# Allegro board 1156197-TDI_VU3P_QSFP28_CXP_V001_1023A-166-20241121_1644_PCB.brd (continued)
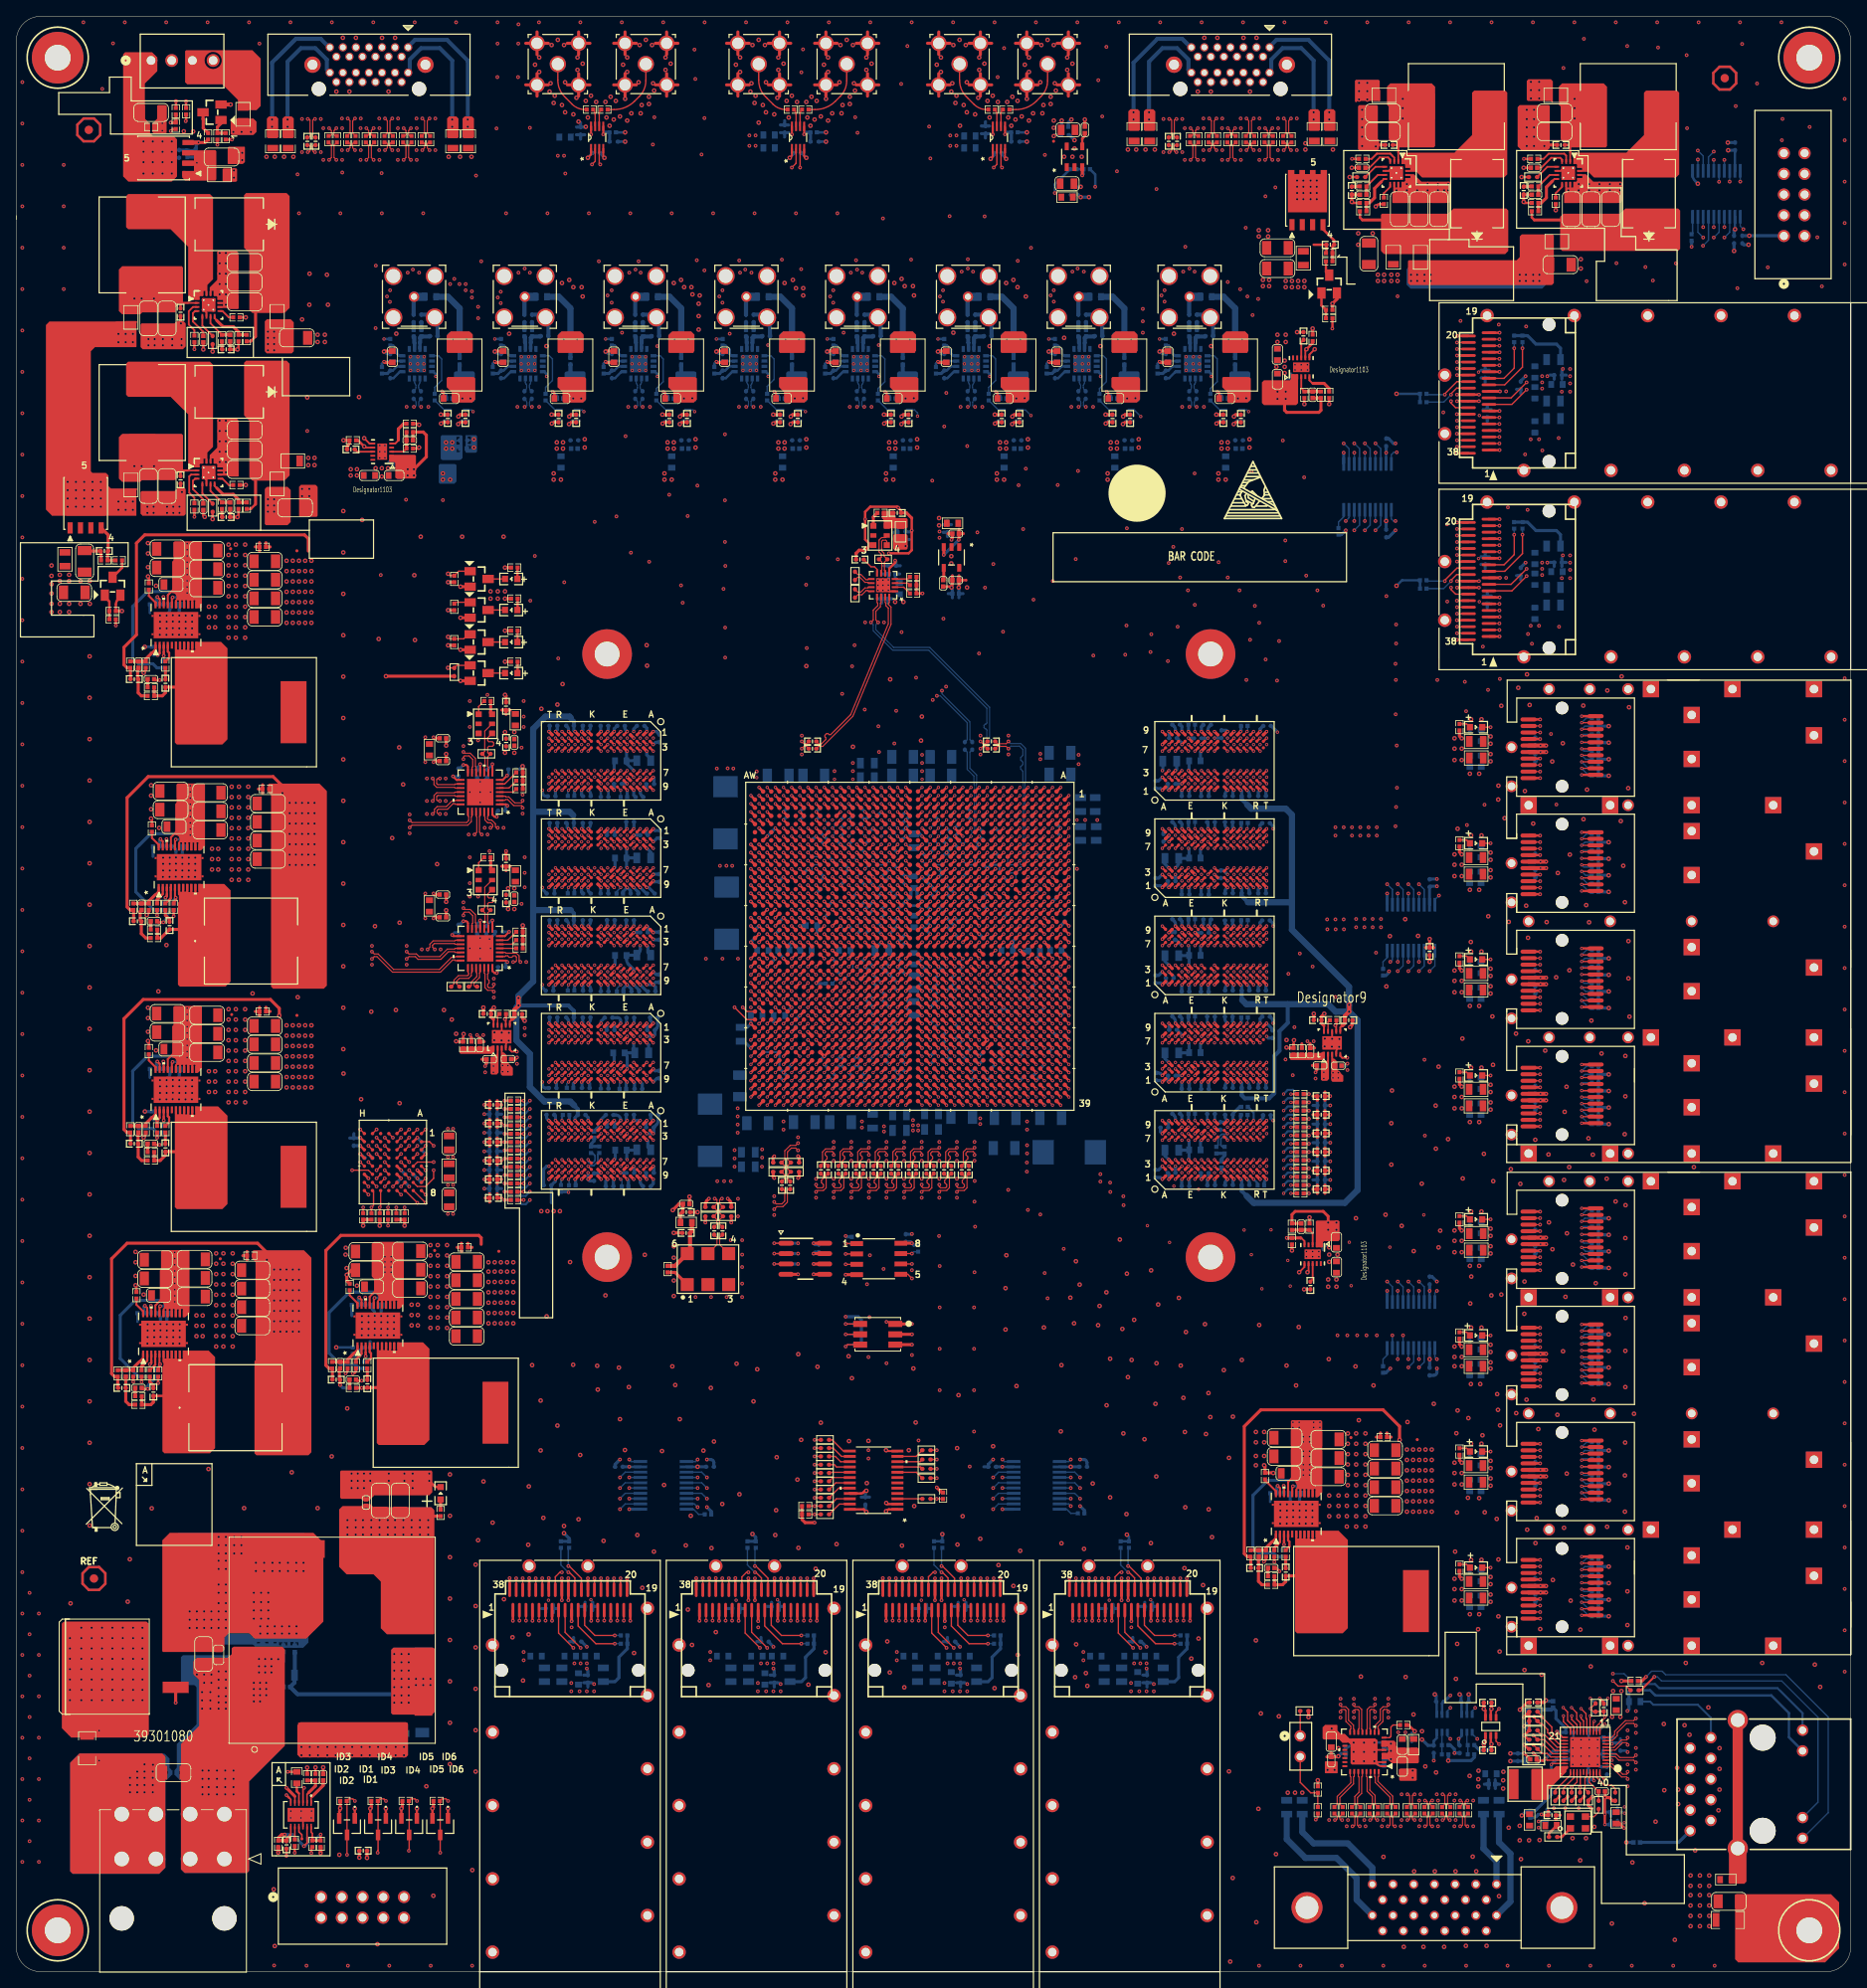
[diagram p0: board, top side]
## Routing (per net, layer and track width the routed paths; a pad name or vN(x,y) marks a point on that pad's centre or on a via; arc(x,y) is an arc through that point) (continued)
CHA_BPI_FLASH_OE_B: length 137.4
  TOP w0.152: U1.AV29 v1(91.1,116.36)
  TOP w0.17: U3.F8 44.69,93.92 v1(44.58,93.8) R25.2
  ART05 w0.122: v1(91.1,116.36) 90.83,116.36 90.3,115.82 89.66,115.82 88.52,114.68 88.52,108.48 88.06,108.03 88.06,107.86 88.47,107.44 88.47,107.27 88.3,107.1 88.13,107.1 87.72,107.51 87.55,107.51 86.31,106.27 80.24,106.27 80.01,106.04 80.01,97.31 77.09,94.39 76.34,94.39 76.22,94.51 76.22,95.26 76.1,95.38 75.85,95.38 75.73,95.26 75.73,94.51 75.61,94.39 75.37,94.39 75.24,94.51 75.24,95.26 75.12,95.38 74.88,95.38 74.76,95.26 74.76,94.51 74.64,94.39 74.39,94.39 74.27,94.51 74.27,95.26 74.15,95.38 73.9,95.38 73.78,95.26 73.78,94.51 73.66,94.39 73.42,94.39 73.29,94.51 73.29,95.26 73.17,95.38 72.93,95.38 72.81,95.26 72.81,94.51 72.68,94.39 72.44,94.39 72.32,94.51 72.32,95.26 72.2,95.38 71.95,95.38 71.83,95.26 71.83,94.51 71.71,94.39 71.47,94.39 71.34,94.51 71.34,95.26 71.22,95.38 70.98,95.38 70.86,95.26 70.86,94.51 70.73,94.39 70.49,94.39 70.37,94.51 70.37,95.26 70.25,95.38 70,95.38 69.88,95.26 69.88,94.51 69.76,94.39 69.51,94.39 69.39,94.51 69.39,95.26 69.27,95.38 69.03,95.38 68.9,95.26 68.9,94.25 67.36,92.71 58.67,92.71 57.91,93.47 57.91,100.97 57.66,101.22 57.02,101.22 56.38,101.86 55.37,101.86 55.24,101.98 55.24,102.23 55.37,102.35 56.77,102.35 56.9,102.47 56.9,102.72 56.77,102.84 55.37,102.84 55.24,102.96 55.24,103.2 55.37,103.33 56.77,103.33 56.9,103.45 56.9,103.69 56.77,103.81 55.37,103.81 55.24,103.94 55.24,104.18 55.37,104.3 56.77,104.3 56.9,104.42 56.9,104.67 56.77,104.79 55.37,104.79 55.24,104.91 55.24,105.15 55.37,105.28 56.77,105.28 56.9,105.4 56.9,105.64 56.77,105.76 55.37,105.76 55.24,105.89 55.24,106.13 55.37,106.25 56.77,106.25 56.9,106.37 56.9,106.62 56.77,106.74 55.37,106.74 55.24,106.86 55.24,107.1 55.37,107.23 56.77,107.23 56.9,107.35 56.9,107.59 56.77,107.71 55.37,107.71 55.24,107.84 55.24,108.08 55.37,108.2 56.77,108.2 56.9,108.32 56.9,108.59 56.77,108.71 43.99,108.71 43.74,108.46 43.74,104.88 43.18,104.32 43.18,102.49 43.69,101.98 43.69,99.82 44.69,98.82 44.69,95.02 44.57,94.89 44.11,94.89 43.99,94.77 43.99,94.53 44.11,94.41 44.57,94.41 44.69,94.28 44.69,93.92 v1(44.58,93.8)
CHA_BPI_FLASH_RST_B: length 156.2
  TOP w0.17: U3.D4 v1(47.19,100.37)
  ART12 w0.122: v1(47.19,100.37) 46.95,100.61 arc(46.75,100.91) 46.69,101.25 46.69,102.46 arc(46.66,102.56) 46.61,102.65 46.48,102.77 arc(46.37,102.85) 46.25,102.87 44.22,102.87 arc(43.96,102.92) 43.74,103.07 43.15,103.66 arc(42.93,103.81) 42.67,103.86 42.27,103.86 arc(42.01,103.81) 41.78,103.66 38.07,99.95 38.07,88.05 arc(38.45,86.18) 39.51,84.6 41.6,82.51 arc(42.96,81.6) 44.56,81.28 45.77,81.28 arc(46.33,81.17) 46.81,80.85 46.98,80.68 48.1,78.88 49.63,77.34 52.2,77.34 52.83,76.71 55.63,76.71 56.08,76.25 63.65,76.25 64.72,75.18 93.9,75.18 103.38,84.66 103.38,88.95 arc(103.53,89.73) 103.97,90.38 107.61,94.02 arc(108.05,94.68) 108.2,95.45 108.2,104.4 arc(108.22,104.65) 108.27,104.89 108.53,105.84 arc(108.57,106.06) 108.58,106.29 108.58,124.22 arc(108.7,124.82) 109.04,125.32 109.44,125.72 arc(109.84,126.32) 109.98,127.03 109.98,133.76 arc(110.25,135.13) 111.03,136.28 v1(111.1,136.36)
  BOTTOM w0.17: v1(111.1,136.36) 111.1,136.34 R4.1
CHA_BPI_FLASH_WAIT: length 104
  TOP w0.152: U1.AU29 v1(92.1,116.36)
  TOP w0.17: R29.2 v1(45.59,91.57)
  ART05 w0.122: v1(92.1,116.36) 91.62,116.84 89.92,116.84 88.14,115.06 88.14,108.84 86,106.71 80.11,106.71 79.63,106.22 79.63,97.53 77.91,95.81 68.66,95.81 68.02,95.17 65.33,95.17 63.5,93.34 59.05,93.34 58.45,93.95 58.45,107.92 57.02,109.35 43.69,109.35 43.31,108.97 43.31,105.16 42.69,104.54 42.69,98.91 43.69,97.92 43.69,95.12 43.05,94.49 43.05,92.84 43.43,92.46 44.7,92.46 v1(45.59,91.57)
CHA_BPI_FLASH_WE_B: length 141.8
  TOP w0.152: U1.AV30 v1(91.1,115.36)
  TOP w0.17: U3.G8 43.81,95.75 43.81,94.06 v1(43.56,93.8) R28.2
  ART05 w0.122: v1(43.56,93.8) 43.56,93.09 43.68,92.96 44.81,92.96 45.09,93.24 45.09,94.52 45.21,94.64 45.95,94.64 46.08,94.76 46.08,95.01 45.95,95.13 45.21,95.13 45.09,95.25 45.09,95.55 45.69,96.16 45.69,97.02 45.81,97.14 46.13,97.14 46.25,97.26 46.25,97.51 46.13,97.63 45.81,97.63 45.69,97.75 45.69,97.99 45.81,98.12 46.13,98.12 46.25,98.24 46.25,98.48 46.13,98.6 45.81,98.6 45.69,98.73 45.69,98.97 45.81,99.09 46.13,99.09 46.25,99.21 46.25,99.46 46.13,99.58 45.81,99.58 45.69,99.7 45.69,99.94 45.81,100.07 46.13,100.07 46.25,100.19 46.25,100.43 46.13,100.55 45.81,100.55 45.69,100.68 45.69,100.92 45.81,101.04 46.13,101.04 46.25,101.16 46.25,101.7 46.1,101.85 44.86,101.85 44.69,102.02 44.69,102.8 44.81,102.92 45.98,102.92 46.1,103.04 46.1,103.29 45.98,103.41 44.81,103.41 44.69,103.53 44.69,103.77 44.81,103.9 45.98,103.9 46.1,104.02 46.1,104.26 45.98,104.38 44.81,104.38 44.69,104.51 44.69,105.17 44.96,105.44 44.96,107.28 45.09,107.4 45.33,107.4 45.45,107.28 45.45,105.44 45.57,105.32 45.82,105.32 45.94,105.44 45.94,107.28 46.06,107.4 46.31,107.4 46.43,107.28 46.43,105.44 46.56,105.31 47.67,105.31 47.79,105.43 47.79,107.29 47.91,107.42 48.15,107.42 48.27,107.29 48.27,105.43 48.4,105.31 48.64,105.31 48.76,105.43 48.76,107.29 48.88,107.42 49.13,107.42 49.25,107.29 49.25,105.43 49.37,105.31 49.62,105.31 49.74,105.43 49.74,107.29 49.86,107.42 50.1,107.42 50.23,107.29 50.23,105.43 50.35,105.31 50.59,105.31 50.71,105.43 50.71,107.29 50.84,107.42 51.08,107.42 51.2,107.29 51.2,105.43 51.32,105.31 51.57,105.31 51.69,105.43 51.69,107.29 51.81,107.42 52.05,107.42 52.18,107.29 52.18,105.43 52.3,105.31 52.54,105.31 52.66,105.43 52.66,107.29 52.79,107.42 53.03,107.42 53.15,107.29 53.15,105.43 53.27,105.31 54.2,105.31 54.46,105.05 54.46,104.68 54.34,104.56 53.59,104.56 53.47,104.44 53.47,104.19 53.59,104.07 54.26,104.07 54.41,103.92 54.41,92.66 55.12,91.95 67.82,91.95 69.34,93.47 77.37,93.47 80.77,96.88 80.77,104.06 81.19,104.48 88.93,104.48 89.28,104.83 89.28,114.17 89.92,114.81 90.55,114.81 v1(91.1,115.36)
CHA_CXP1_TXLF: length 2.1
  BOTTOM w0.17: U24.3 52.51,191.67 R280.2
CHA_CXP1_TXLF_1V8: length 245.2
  TOP w0.152: U1.D23 v1(126.1,122.36)
  ART12 w0.122: v1(126.1,122.36) 126.55,122.81 131.57,122.81 136.53,117.86 136.53,99.53 141.57,94.49 156.77,94.49 158.32,96.03 159.69,96.03 160.3,96.65 161.93,96.65 164.24,98.96 164.24,119.02 156.72,126.54 156.72,165.2 143.48,178.44 118.11,178.44 116.08,180.47 99.19,180.47 94.87,184.78 75.44,184.78 74.55,185.67 61.83,185.67 v3(56.03,191.48)
  BOTTOM w0.17: U24.4 55.83,191.67 v3(56.03,191.48)
CHA_CXP2_1V25: length 10.9
  TOP w0.305: R418.1 v2(161.04,192.41)
  TOP w0.381: C757.2 R419.1 160.02,191.64 159.77,191.39 155.83,191.39 155.56,191.66 155.56,192.9 v2(155.7,193.04)
  BOTTOM w0.381: 156.34,194.29 R420.2 ; R420.2 156.85,194.8 ; R420.2 155.83,194.8
  vias: v2(106.68,183.9) v2(106.68,183.13) v2(107.57,183.13) v2(120.27,183.9) v2(120.27,183.13) v2(121.16,183.13) v2(133.86,183.9) v2(133.86,183.13) v2(134.75,183.13) v2(147.45,183.9) v2(147.45,183.13) v2(148.34,183.13) v2(154.69,193.93) v2(154.69,193.04) v2(155.7,193.93)
CHA_CXP2_1V25_EN: length 168.9
  TOP w0.152: U1.C27 v1(127.1,118.36)
  TOP w0.229: U51.7 158.11,199 v2(158.24,199.14)
  TOP w0.305: R422.2 159,199.9 v2(158.24,199.14)
  ART05 w0.254: v1(161.8,139.45) 160.02,137.67 160.02,125.79 165.48,120.33 165.48,96.7 162.12,93.34 139.7,93.34 131.42,101.63 131.42,116.59 130.12,117.88 127.58,117.88 v1(127.1,118.36)
  ART12 w0.254: v1(161.8,139.45) 161.04,140.21 161.04,170.94 159.38,172.59 159.38,197.99 v2(158.24,199.14)
CHA_CXP2_24V_PWREN: length 169.2
  TOP w0.152: U1.B25 v1(128.1,120.36)
  TOP w0.305: R598.2 161.44,201.7 v1(161.42,201.68)
  ART05 w0.254: v1(161.8,140.46) 159.13,137.79 159.13,125.6 164.72,120.02 164.72,97.02 161.81,94.11 140.02,94.11 132.08,102.05 132.08,116.92 130.14,118.86 128.89,118.86 128.6,119.15 128.6,119.86 v1(128.1,120.36)
  ART12 w0.254: v1(161.8,140.46) 161.8,171.7 160.05,173.46 160.05,194.59 161.42,195.96 v1(161.42,201.68)
CHA_CXP2_TXLF: length 2.1
  BOTTOM w0.17: R279.2 66.1,191.67 U25.3
CHA_CXP2_TXLF_1V8: length 232.2
  TOP w0.152: U1.C23 v1(127.1,122.36)
  ART12 w0.122: v3(69.62,191.48) 75.8,185.29 96.14,185.29 100.33,181.1 116.59,181.1 118.49,179.2 143.44,179.2 157.23,165.41 157.23,126.67 164.74,119.15 164.74,98.71 161,94.97 157.76,94.97 156.9,94.11 141.41,94.11 136.14,99.37 136.14,117.6 131.32,122.43 129.16,122.43 128.65,121.92 127.54,121.92 v1(127.1,122.36)
  BOTTOM w0.17: U25.4 69.42,191.67 v3(69.62,191.48)
CHA_CXP3_TXLF: length 2.1
  BOTTOM w0.17: R290.2 79.69,191.67 U28.3
CHA_CXP3_TXLF_1V8: length 220.1
  TOP w0.152: U1.C24 v1(127.1,121.36)
  ART12 w0.122: v3(83.2,191.48) 88.76,185.93 97.28,185.93 101.35,181.86 117.35,181.86 119.38,179.83 143.52,179.83 157.73,165.62 157.73,126.8 165.25,119.28 165.25,98.68 161.19,94.61 158.04,94.61 157.15,93.73 141.25,93.73 135.76,99.21 135.76,117.35 131.22,121.89 129.03,121.89 128.65,121.51 128.65,121.28 128.27,120.9 127.64,120.9 127.18,121.36 v1(127.1,121.36)
  BOTTOM w0.17: U28.4 83.01,191.67 v3(83.2,191.48)
CHA_CXP4_TXLF: length 2.1
  BOTTOM w0.17: U29.3 93.28,191.67 R289.2
CHA_CXP4_TXLF_1V8: length 205.1
  TOP w0.152: U1.A24 v1(129.1,121.36)
  ART12 w0.122: v3(96.79,191.48) 103.49,184.78 115.57,184.78 119.63,180.72 143.38,180.72 158.24,165.86 158.24,126.92 165.76,119.41 165.76,98.65 161.32,94.21 158.27,94.21 157.4,93.34 141.09,93.34 135.38,99.06 135.38,117.12 131.15,121.36 v1(129.1,121.36)
  BOTTOM w0.17: v3(96.79,191.48) 96.6,191.67 U29.4
CHA_CXP5_TXLF: length 2.1
  BOTTOM w0.17: U32.3 106.87,191.67 R300.2
CHA_CXP5_TXLF_1V8: length 195.9
  TOP w0.152: U1.C26 v1(127.1,119.36)
  ART12 w0.122: v1(127.1,119.36) 127.1,119.36 127.64,119.89 128.27,119.89 128.52,120.14 128.52,120.65 128.78,120.9 130.93,120.9 135,116.84 135,98.9 140.94,92.96 157.58,92.96 158.45,93.83 161.48,93.83 166.27,98.62 166.27,119.57 158.75,127.08 158.75,166.12 143.38,181.48 120.38,181.48 110.93,190.93 v3(110.54,190.93)
  BOTTOM w0.17: U32.4 110.19,191.67 110.54,191.32 v3(110.54,190.93)
CHA_CXP6_TXLF: length 2.1
  BOTTOM w0.17: R299.2 120.46,191.67 U33.3
CHA_CXP6_TXLF_1V8: length 180.4
  TOP w0.152: U1.A25 v1(129.1,120.36)
  ART12 w0.122: v3(124.45,191) 132.95,182.5 143.13,182.5 159.26,166.37 159.26,127.24 166.78,119.72 166.78,98.59 161.66,93.47 158.62,93.47 157.73,92.58 140.78,92.58 134.62,98.74 134.62,116.68 130.94,120.36 v1(129.1,120.36)
  BOTTOM w0.17: v3(124.45,191) 123.78,191.67 U33.4
CHA_CXP7_TXLF: length 2.1
  BOTTOM w0.17: R310.2 134.04,191.67 U37.3
CHA_CXP7_TXLF_1V8: length 170.9
  TOP w0.152: U1.B26 v1(128.1,119.36)
  ART12 w0.122: v3(137.92,190.88) 139.06,189.74 139.06,187.32 159.77,166.62 159.77,127.43 167.28,119.91 167.28,98.53 161.82,93.07 159.89,93.07 158.8,91.97 157.43,91.97 157.2,92.2 140.59,92.2 134.24,98.55 134.24,116.33 130.68,119.89 128.91,119.89 128.37,119.36 v1(128.1,119.36)
  BOTTOM w0.17: U37.4 137.13,191.67 v3(137.92,190.88)
CHA_CXP8_TXLF: length 2.1
  BOTTOM w0.17: U36.3 147.63,191.67 R309.2
CHA_CXP8_TXLF_1V8: length 166.4
  TOP w0.152: U1.B27 v1(128.1,118.36)
  ART12 w0.122: v3(151.15,191.48) 150.5,190.83 150.5,176.66 160.27,166.88 160.27,127.56 167.79,120.04 167.79,98.53 161.9,92.63 160.12,92.63 159.08,91.59 157.07,91.59 156.84,91.82 140.46,91.82 133.86,98.42 133.86,116.08 131.06,118.87 128.62,118.87 v1(128.1,118.36)
  BOTTOM w0.17: v3(151.15,191.48) 150.96,191.67 U36.4
CHA_CXP_1V25: length 9.9
  TOP w0.305: R409.1 49.28,189.99 v2(49.4,189.87)
  TOP w0.381: C745.2 R411.1 49.91,188.98 50.29,188.59 50.29,185.93 v2(48.77,184.4)
  BOTTOM w0.381: R412.2 47.52,185.29 ; R412.2 47.01,184.78 ; R412.2 47.01,185.8
  vias: v2(48.01,184.4) v2(48.01,183.64) v2(48.77,183.64) v2(52.32,183.9) v2(52.32,183.13) v2(53.21,183.13) v2(65.91,183.9) v2(65.91,183.13) v2(66.8,183.13) v2(79.5,183.9) v2(79.5,183.13) v2(80.39,183.13) v2(93.09,183.9) v2(93.09,183.13) v2(93.98,183.13)
CHA_CXP_1V25_EN: length 261.8
  TOP w0.152: U1.B24 v1(128.1,121.36)
  TOP w0.229: U49.7 42.81,187.06 v2(42.67,187.2)
  TOP w0.305: v2(42.67,187.2) 41.91,187.96 R417.2
  ART05 w0.254: v1(161.8,119.63) 162.56,118.87 162.56,115.44 163.96,114.05 163.96,97.33 161.49,94.87 140.34,94.87 132.77,102.44 132.77,117.37 129.26,120.88 128.58,120.88 v1(128.1,121.36)
  ART12 w0.254: v1(161.8,119.63) 156.24,125.2 156.24,164.54 148.95,171.83 62.2,171.83 59.8,174.23 44.34,174.23 41.55,177.01 41.55,180.49 40.13,181.91 40.13,184.66 v2(42.67,187.2)
CHA_CXP_24V_1: length 6.5
  BOTTOM w0.305: C532.2 v2(68.3,193.09) ; C534.2 v2(54.72,193.09)
  BOTTOM w0.508: R272.2 54.38,196.2 ; R271.2 67.96,196.2 ; v2(68.3,193.09) v2(69.29,193.09) ; v2(54.72,193.09) v2(55.7,193.09)
  vias: v2(30.86,180.72) v2(30.86,179.96) v2(30.86,179.2) v2(31.62,180.72) v2(31.62,179.96) v2(31.62,179.2)
CHA_CXP_24V_2: length 6.5
  BOTTOM w0.305: C556.2 v2(95.48,193.09) ; C558.2 v2(81.89,193.09)
  BOTTOM w0.508: R281.2 95.14,196.2 ; v2(81.89,193.09) 82.88,193.09 ; v2(95.48,193.09) 96.47,193.09 ; R282.2 81.55,196.2
  vias: v2(30.86,201.29) v2(30.86,200.53) v2(30.86,199.77) v2(30.86,199.01) v2(31.62,201.29) v2(31.62,200.53) v2(31.62,199.77) v2(31.62,199.01) v2(35.81,185.8) v2(35.81,184.91) v2(36.58,185.8) v2(36.58,184.91) v2(82.91,193.12) v2(96.5,193.12)
CHA_CXP_24V_3: length 6.5
  BOTTOM w0.305: C582.2 v2(109.07,193.09) ; C580.2 v2(122.66,193.09)
  BOTTOM w0.508: v2(122.66,193.09) 123.65,193.09 ; v2(109.07,193.09) 110.06,193.09 ; R291.2 122.32,196.2 ; R292.2 108.73,196.2
  vias: v2(110.09,193.12) v2(123.68,193.12) v2(167,208.28) v2(167,207.52) v2(167.77,208.28) v2(167.77,207.52) v2(168.66,208.28) v2(168.66,207.52) v2(169.42,208.28) v2(169.42,207.52)
CHA_CXP_24V_4: length 6.5
  BOTTOM w0.305: C606.2 v2(136.25,193.09) ; C604.2 v2(149.84,193.09)
  BOTTOM w0.508: v2(136.25,193.09) 137.24,193.09 ; v2(149.84,193.09) 150.82,193.09 ; R302.2 135.91,196.2 ; R301.2 149.5,196.2
  vias: v2(137.27,193.12) v2(150.85,193.12) v2(171.07,208.28) v2(171.07,207.52) v2(171.83,208.28) v2(171.83,207.52) v2(172.72,208.28) v2(172.72,207.52) v2(173.48,208.28) v2(173.48,207.52) v2(184.4,208.28) v2(184.4,207.52) v2(185.17,208.28) v2(185.17,207.52) v2(186.06,208.28) v2(186.06,207.52) v2(186.82,208.28) v2(186.82,207.52)
CHA_CXP_24V_PWREN: length 290.4
  TOP w0.152: v1(129.1,123.36) 129.1,123.36 U1.A23
  TOP w0.305: R594.2 v1(12.21,165.23)
  ART12 w0.254: v1(12.21,165.23) 12.21,151.24 16.51,146.94 36.58,146.94 41.96,152.32 43.48,152.32 58.04,166.88 152.73,166.88 155.7,163.91 155.7,124.49 157.68,122.5 157.68,96.06 156.59,94.97 142.16,94.97 137.29,99.85 137.29,118.11 132.16,123.24 129.22,123.24 v1(129.1,123.36)
CHA_DDR4_2V5: length 48.3
  TOP w0.229: 58.54,116.87 U12.10 ; v1(161.77,116.15) 161.89,116.03 U18.7 ; 160.39,116.1 U18.10 ; v1(59.92,116.92) 60.04,116.8 U12.7
  TOP w0.305: v1(161.77,116.15) 161.92,116.3 R154.1 ; R112.1 60.07,117.06 v1(59.92,116.92)
  TOP w0.356: v2(160.91,91.95) 160.91,92.71 160.3,93.32 156.86,93.32 156.46,92.93 R413.1
  TOP w0.381: U13.R9 v3(152.56,128.34) ; U16.B1 v3(141.36,145.01) ; U8.B1 v3(77.33,140.28) ; U14.R9 v3(152.56,140.28) ; U8.R9 v3(66.13,133.08) ; U10.B1 v3(77.33,152.22) ; R413.1 C750.2 ; 58.54,116.87 58.23,117.17 C313.2 58.23,118 v2(58.57,118.34) ; U17.R9 v3(152.56,104.46) ; v2(160.43,117.58) 160.08,117.23 C407.2 160.08,116.41 160.39,116.1 ; U16.R9 v3(152.56,152.22) ; U13.B1 v3(141.36,121.14) ; U9.R9 v3(66.13,97.26) ; R410.1 v2(156.46,88.52) ; U10.R9 v3(66.13,145.01) ; U15.B1 v3(141.36,109.2) ; U17.B1 v3(141.36,97.26) ; U7.B1 v3(77.33,128.34) ; U11.R9 v3(66.13,109.2) ; U7.R9 v3(66.13,121.14) ; U11.B1 v3(77.33,116.4) ; U14.B1 v3(141.36,133.08) ; U15.R9 v3(152.56,116.4) ; U9.B1 v3(77.33,104.46)
  BOTTOM w0.381: C373.1 141.26,109.3 v3(141.36,109.2) ; v3(77.33,104.46) 77.25,104.39 C279.1 ; R414.1 160.27,90.44 ; R414.1 160.78,89.94 ; R414.1 159.77,89.94 ; v3(141.36,133.08) 141.24,133.21 C358.1 ; C280.1 66.13,145.01 v3(66.13,145.01) ; v3(66.13,121.14) 65.87,120.88 C236.1 ; v3(66.13,133.08) 66,132.95 C263.1 ; v3(77.33,140.28) 77.28,140.23 77.28,139.67 C264.1 ; v3(141.36,97.26) 141.41,97.31 141.41,97.87 C420.1 ; C281.1 77.33,152.63 v3(77.33,152.22) ; v3(77.33,116.4) 77.38,116.35 C326.1 ; 65.62,94.4 C278.1 66.13,97.03 v3(66.13,97.26) ; C325.1 66.26,109.08 v3(66.13,109.2) ; v3(152.56,128.34) 152.56,128.78 C330.1 ; v3(77.33,128.34) 77.46,128.21 C237.1 ; C372.1 152.56,116.97 v3(152.56,116.4) ; C375.1 141.24,145.14 v3(141.36,145.01) ; C331.1 141.01,121.5 v3(141.36,121.14) ; v3(152.56,152.22) 152.56,152.53 C374.1 ; v3(152.56,140.28) 152.56,140.71 C357.1 ; v3(152.56,104.46) 152.92,104.82 C419.1
  vias: v2(64.39,93.34) v2(65.15,93.34) v2(65.91,93.34) v2(66.67,93.34) v2(160.91,91.06) v2(161.93,91.95) v2(161.93,91.06)
CHA_DDR4_C1_VREF: length 90.1
  TOP w0.229: 60.81,116.92 60.54,116.65 U12.6
  TOP w0.381: U8.M1 v3(68.53,140.28) ; U7.M1 v3(68.53,128.34) ; U9.M1 v3(68.53,104.46) ; U10.M1 v3(68.53,152.22) ; U11.M1 v3(68.53,116.4)
  TOP w0.508: 60.81,116.92 61.1,117.21 C327.1 61.1,118.07 61.59,118.57 v2(61.59,118.59) v2(61.59,119.51)
  BOTTOM w0.381: C250.1 68.39,128.48 v3(68.53,128.34) ; C328.1 68.39,116.54 v3(68.53,116.4) ; 68.31,141.94 68.39,141.86 C265.1 68.39,140.42 v3(68.53,140.28) ; C282.1 68.53,104.81 v3(68.53,104.46) ; C283.1 68.39,152.36 v3(68.53,152.22)
  BOTTOM w0.483: 68.43,106.33 68.87,105.88 C282.1 ; C283.1 68.39,153.51 68.02,153.88 ; 68,130.3 68.39,129.91 C250.1
  BOTTOM w0.495: v2(61.59,118.59) 67.72,118.59 68.39,117.92 C328.1
  BOTTOM w0.762: 68.31,141.94 67.88,142.37 63.4,142.37 ; 68.43,106.33 67.94,106.81 64.77,106.81 62.99,108.58 62.99,112.65 61.34,114.3 61.34,118.34 v2(61.59,118.59) v2(61.59,119.51) 61.59,119.76 63.4,121.56 63.4,130.3 ; 63.4,130.3 68,130.3 ; 63.4,130.3 63.4,142.37 ; 68.02,153.88 67.85,154.05 64.9,154.05 63.4,152.55 63.4,142.37
CHA_DDR4_C1_VTT: length 58.8
  TOP w0.229: U12.5 60.54,113.16 60.77,112.93 v1(61.39,112.93)
  TOP w0.305: R100.2 v1(59.89,97.76) ; R103.2 v1(59.89,104.88) ; R102.2 v1(59.89,98.78) ; R96.2 v1(59.89,99.8) ; R97.2 v1(59.89,101.83) ; R110.2 v1(59.89,96.75) ; R114.2 v1(59.89,94.72) ; R117.2 v1(59.89,95.73) ; R124.2 v1(59.89,103.86) ; R99.2 v1(59.89,102.84) ; R119.2 v1(59.89,100.81) ; R118.2 v1(59.89,106.91) ; R109.2 v1(59.89,105.89)
  TOP w0.381: C311.1 59.53,97.26 ; C311.1 58.99,97.77 ; C311.1 58.99,96.75 ; 58.99,95.48 C312.1 59.53,94.97 ; 58.99,101.32 C319.1 ; C319.1 58.99,102.34 ; C319.1 59.53,101.83 ; C316.1 58.99,104.62 ; C316.1 58.99,103.61 ; C316.1 59.53,104.11 ; 58.99,99.03 C320.1 ; C320.1 59.53,99.54 ; C320.1 58.99,100.05 ; 58.99,105.89 C310.1 ; C310.1 58.99,106.91 ; C310.1 59.53,106.4
  ART16 w0.305: v1(59.89,94.72) 58.93,95.68 58.93,107.31 62.23,110.62 62.23,112.52 61.82,112.93 v1(61.39,112.93)
  BOTTOM w0.305: R100.2 v1(59.89,97.76) ; R110.2 v1(59.89,96.75) ; R97.2 v1(59.89,101.83) ; R109.2 v1(59.89,105.89) ; R124.2 v1(59.89,103.86) ; R117.2 v1(59.89,95.73) ; R118.2 v1(59.89,106.91) ; R96.2 v1(59.89,99.8) ; R102.2 v1(59.89,98.78) ; R99.2 v1(59.89,102.84) ; R114.2 v1(59.89,94.72) ; R103.2 v1(59.89,104.88) ; R119.2 v1(59.89,100.81)
  BOTTOM w0.381: 59.9,111.43 C321.1 ; C314.1 58.99,98.91 ; C314.1 59.53,98.4 ; C314.1 58.99,97.89 ; 58.99,104.75 C308.1 ; C308.1 58.99,105.77 ; C308.1 59.53,105.26 ; C318.1 59.53,100.69 ; C318.1 58.99,100.18 ; C318.1 58.99,101.19 ; C309.1 59.53,102.97 ; C309.1 58.99,103.48 ; C309.1 58.99,102.46 ; C317.1 58.99,96.62 ; C317.1 58.99,95.61 ; C317.1 59.53,96.11
  vias: v1(59.64,111.23) v1(59.64,110.46) v1(60.3,111.23) v1(60.3,110.46)
CHA_DDR4_C2_VREF: length 122
  TOP w0.229: 162.66,116.15 162.39,115.88 U18.6
  TOP w0.381: U17.M1 v3(150.16,97.26) ; U16.M1 v3(150.16,145.01) ; U15.M1 v3(150.16,109.2) ; U14.M1 v3(150.16,133.08) ; U13.M1 v3(150.16,121.14)
  TOP w0.508: v2(163.47,118.67) v2(163.47,117.83) 162.95,117.31 C421.1 162.95,116.45 162.66,116.15
  BOTTOM w0.381: v3(150.16,133.08) 150.3,132.94 C359.1 ; v3(150.16,145.01) 150.3,144.87 C377.1 ; C422.1 150.3,97.12 v3(150.16,97.26) ; C344.1 150.3,121 v3(150.16,121.14) ; C376.1 150.3,109.06 v3(150.16,109.2)
  BOTTOM w0.483: 151.07,131.25 150.3,132.02 C359.1 ; C377.1 150.3,143.9 150.97,143.23 ; C344.1 150.3,119.32 150.36,119.27 ; C422.1 150.3,95.82 150.9,95.23
  BOTTOM w0.495: C376.1 150.3,107.57 150.69,107.19 153.67,107.19 154.31,107.82 154.31,112.39 154.94,113.03 154.94,115.44 155.96,116.46 155.96,118.75
  BOTTOM w0.762: 156.46,131.25 156.46,141.99 155.7,142.75 151.45,142.75 150.97,143.23 ; 156.46,131.25 156.46,127.89 163.47,120.88 v2(163.47,118.67) v2(163.47,117.83) ; 156.46,131.25 151.07,131.25 ; 150.9,95.23 151.76,94.36 162.94,94.36 164.52,95.94 164.52,116.79 v2(163.47,117.83) ; 150.36,119.27 150.88,118.75 160.91,118.75 161.82,117.83 v2(163.47,117.83)
CHA_DDR4_C2_VTT: length 56.2
  TOP w0.229: U18.5 162.39,112.39 162.62,112.17 v1(163.25,112.17)
  TOP w0.305: R135.1 v1(158.55,106.71) ; R150.2 v1(158.55,103.66) ; R152.2 v1(158.55,96.55) ; R160.2 v1(158.55,107.72) ; R146.2 v1(158.55,97.56) ; R140.2 v1(158.55,99.59) ; R138.2 v1(158.55,101.63) ; R165.2 v1(158.55,102.64) ; R141.2 v1(158.55,104.67) ; R161.2 v1(158.55,95.53) ; R145.2 v1(158.55,105.69) ; R167.2 v1(158.55,100.61) ; R149.2 v1(158.55,98.58)
  TOP w0.381: C413.1 159.58,103.4 ; C413.1 159.58,102.39 ; C413.1 159.04,102.9 ; 159.58,104.67 C402.1 ; C402.1 159.58,105.69 ; C402.1 159.04,105.18 ; C414.1 159.58,98.83 ; C414.1 159.58,97.81 ; C414.1 159.04,98.32 ; 159.58,106.96 C412.1 159.04,107.47 ; 159.58,95.53 C403.1 ; C403.1 159.04,96.04 ; C403.1 159.58,96.55 ; C411.1 159.58,101.12 ; C411.1 159.58,100.1 ; C411.1 159.04,100.61
  ART16 w0.381: v1(163.25,112.17) 159.79,112.17 157.71,110.08 157.71,96.37 v1(158.55,95.53)
  BOTTOM w0.305: R149.2 v1(158.55,98.58) ; R150.2 v1(158.55,103.66) ; R167.2 v1(158.55,100.61) ; R152.2 v1(158.55,96.55) ; R140.2 v1(158.55,99.59) ; R141.2 v1(158.55,104.67) ; R165.2 v1(158.55,102.64) ; R135.1 v1(158.55,106.71) ; R145.2 v1(158.55,105.69) ; R146.2 v1(158.55,97.56) ; R160.2 v1(158.55,107.72) ; R161.2 v1(158.55,95.53) ; R138.2 v1(158.55,101.63)
  BOTTOM w0.381: 159.58,103.53 C410.1 ; C410.1 159.58,104.55 ; C410.1 159.04,104.04 ; C405.1 159.58,97.69 ; C405.1 159.04,97.18 ; C405.1 159.58,96.67 ; 159.04,99.47 C404.1 ; C404.1 159.58,98.96 ; C404.1 159.58,99.97 ; 159.58,105.82 C408.1 ; C408.1 159.58,106.83 ; C408.1 159.04,106.32 ; 159.58,101.24 C406.1 ; C406.1 159.58,102.26 ; C406.1 159.04,101.75 ; 161.75,110.67 C416.1
  vias: v1(161.49,110.34) v1(161.49,109.7) v1(162.15,110.34) v1(162.15,109.7)
CHA_DDR4_CLK1_N_200M: length 20.7
  TOP w0.14: C55.2 96.91,150.39 96.61,150.39 96.35,150.13 v1(96.35,150.11) ; U1.AM9 v1(97.1,137.36)
  ART14 w0.102: 95.75,145.8 95.75,145.77 95.7,145.72 95.7,138.07 95.82,137.96 96.35,137.96 96.7,137.61 96.7,137.06 96.8,136.96 97,136.96 97.1,137.06 v1(97.1,137.36)
  ART14 w0.114: 95.75,145.8 95.75,148.35 95.87,148.47 96.2,148.47 96.32,148.58 96.32,148.81 96.2,148.92 95.87,148.92 95.75,149.04 95.75,150.29 95.87,150.4 96.22,150.4 96.33,150.29 96.33,150.13 v1(96.35,150.11)
  BOTTOM w0.14: R66.1 U1.AM9 v1(97.1,137.36) R68.2
CHA_DDR4_CLK1_P_200M: length 21
  TOP w0.14: C54.2 96.91,150.72 96.61,150.72 96.35,150.99 v1(96.35,151) ; U1.AM10 v1(97.1,136.36)
  ART14 w0.102: v1(97.1,136.36) 97.1,136.65 97,136.76 96.72,136.76 96.5,136.98 96.5,137.52 96.27,137.76 95.73,137.76 95.5,137.99 95.5,145.72 95.45,145.77 95.45,145.8
  ART14 w0.114: v1(96.35,151) 96.33,150.99 96.33,150.83 96.22,150.71 95.74,150.71 95.45,150.42 95.45,145.8
  BOTTOM w0.14: R67.2 U1.AM10 ; U1.AM10 v1(97.1,136.36) ; U1.AM10 R64.2 R65.1
CHA_DDR4_CLK2_N_200M: length 22.7
  TOP w0.14: U1.G10 v1(123.1,136.36) ; C72.2 120.35,150.39 121.41,150.39 v1(121.69,150.11)
  BOTTOM w0.102: v1(123.1,136.36) 123.1,135.96 123.2,135.86 123.39,135.86 123.5,135.97 123.5,140.46 123.48,140.83 123.48,142.78 123.52,143.3 123.52,145.94 123.46,146 123.46,146.02
  BOTTOM w0.14: v1(121.69,150.11) 122,150.42 123.06,150.42 123.46,150.02 123.46,149.29 123.19,149.02 123.19,148.73 123.46,148.46 123.46,148.17 123.19,147.9 123.19,147.61 123.46,147.34 123.46,146.02 ; R77.1 R79.2 U1.G10 v1(123.1,136.36)
CHA_DDR4_CLK2_P_200M: length 23
  TOP w0.14: U1.G11 v1(123.1,135.36) ; v1(121.69,151) 121.41,150.72 120.35,150.72 C71.2
  BOTTOM w0.102: v1(123.1,135.36) 123.1,135.55 123.2,135.65 123.47,135.65 123.7,135.89 123.7,140.47 123.68,140.84 123.68,142.77 123.72,143.3 123.72,145.94 123.79,146 123.79,146.02
  BOTTOM w0.14: R75.2 U1.G11 v1(123.1,135.36) ; R75.2 R76.1 ; R75.2 122.58,134.86 R78.2 ; 123.79,146.02 123.79,150.15 123.19,150.75 121.96,150.75 121.85,150.85 121.85,150.85 v1(121.69,151)
CHA_DEBUG_LED0: length 106.2
  TOP w0.152: U1.AF26 v1(103.1,119.36)
  TOP w0.17: v2(52.96,163.83) 53.19,163.6 R58.2 54.88,163.6 55.43,164.14 Q2.1
  ART14 w0.122: v1(103.1,119.36) 103.1,119.23 102.74,118.87 93.98,118.87 93.65,118.54 93.65,117.96 93.12,117.42 90.5,117.42 90.3,117.22 80.26,117.22 79.12,118.36 64.26,118.36 63.37,117.47 63.37,115.95 v1(62.36,114.94)
  ART16 w0.122: v2(52.96,163.83) 53.93,162.86 53.93,147.91 54.37,147.48 54.37,146.06 53.47,145.16 53.47,133.02 52.07,131.62 52.07,129.92 52.83,129.16 52.83,119.51 56.01,116.33 60.96,116.33 v1(62.36,114.94)
CHA_DEBUG_LED1: length 105.5
  TOP w0.152: U1.AT23 v1(93.1,122.36)
  TOP w0.17: Q3.1 54.27,171.89 R59.2 53.19,171.34 v2(52.96,171.58)
  ART14 w0.122: v1(62.36,115.82) 62.99,116.46 62.99,117.98 64.01,119 79.38,119 80.64,117.73 90.17,117.73 90.27,117.83 91.8,117.83 92.58,118.62 92.58,121.84 v1(93.1,122.36)
  ART16 w0.122: v1(62.36,115.82) 60.45,117.73 56.39,117.73 54.12,119.99 54.12,144.93 55.5,146.3 55.5,150.48 54.86,151.12 54.86,156.46 55.5,157.1 55.5,170.43 54.36,171.58 v2(52.96,171.58)
CHA_FAN_FG: length 210.5
  TOP w0.381: R589.1 19.58,227.92 19.58,226.99 R586.2 19.53,226.94 18.93,226.94 v1(18.92,226.95)
  ART16 w0.122: v1(206.25,223.52) 205.23,222.5 205.23,216.92 200.91,212.6 158.12,212.6 153.87,216.84 143.46,216.84 138.43,221.87 125.22,221.87 122.68,219.33 32.89,219.33 29.62,222.61 29.62,226.09 27.64,228.07 20.04,228.07 18.92,226.95 v1(18.92,226.95)
  BOTTOM w0.17: v1(206.25,223.52) 206.9,222.86 U4.13
CHA_FAN_FG_1V8: length 217.6
  TOP w0.152: U1.F33 v3(124.1,112.36)
  ART03 w0.122: v3(124.1,112.36) 124.1,112.42 124.46,112.78 125.22,112.78 125.6,113.16 125.6,116.71 125.73,116.84 126.36,116.84 126.62,116.59 126.62,116.2 127,115.82 129.29,115.82 130.56,114.55 130.56,113.74 131.24,113.06 131.24,102.72 140.74,93.22 163.55,93.22 166.37,96.04 166.37,123.95 164.85,125.47 164.85,128.7 v1(164.34,129.21)